# Altium PCB CTR_PAD.PcbDoc
Units mil, origin at the board's own origin, x right, y up, seen from the top; angles counter-clockwise.
Board outline 2283.74 x 2984.53 mil, 4 copper layers (Top Layer, PWR02, GND03, Bottom Layer), stack 23.756 mil thick; 45 components, 38 nets, 191 pads, 90 vias.
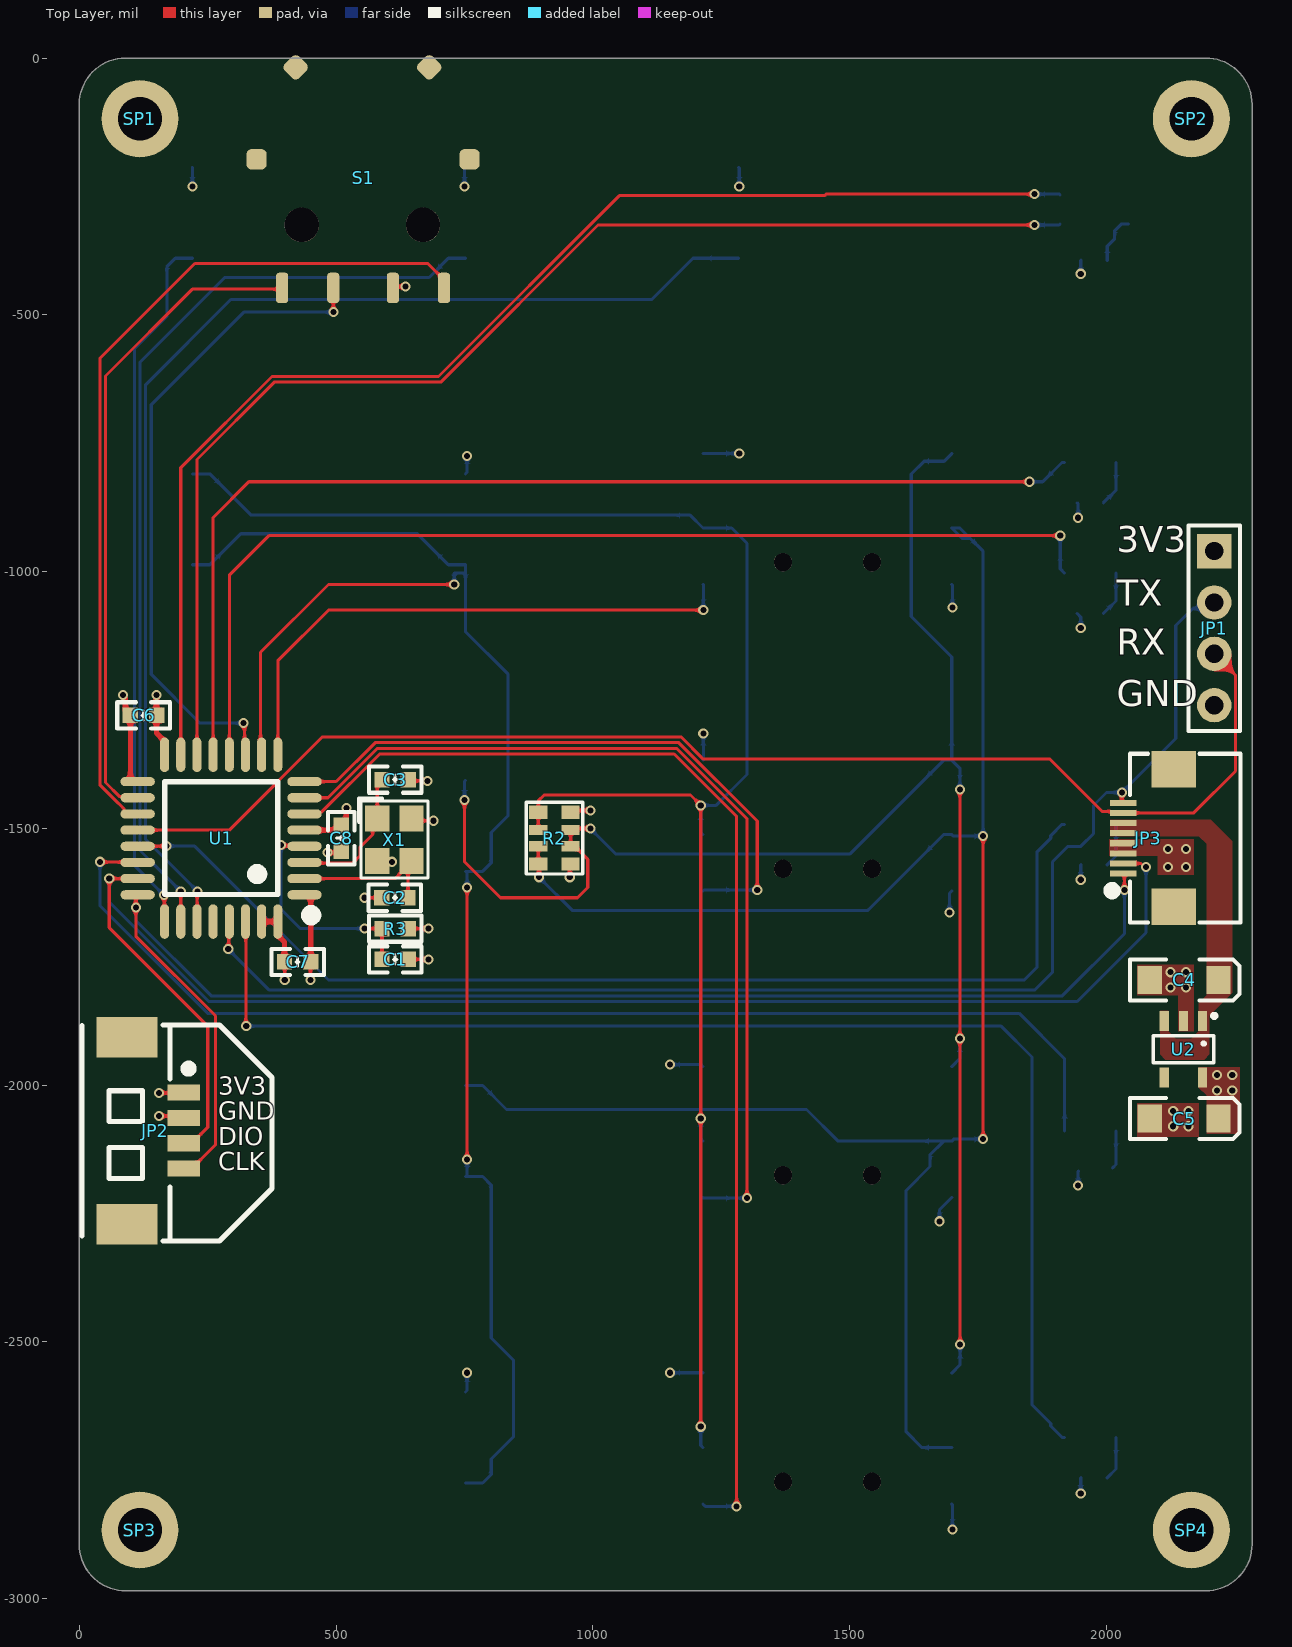
[diagram p0: Top Layer view]
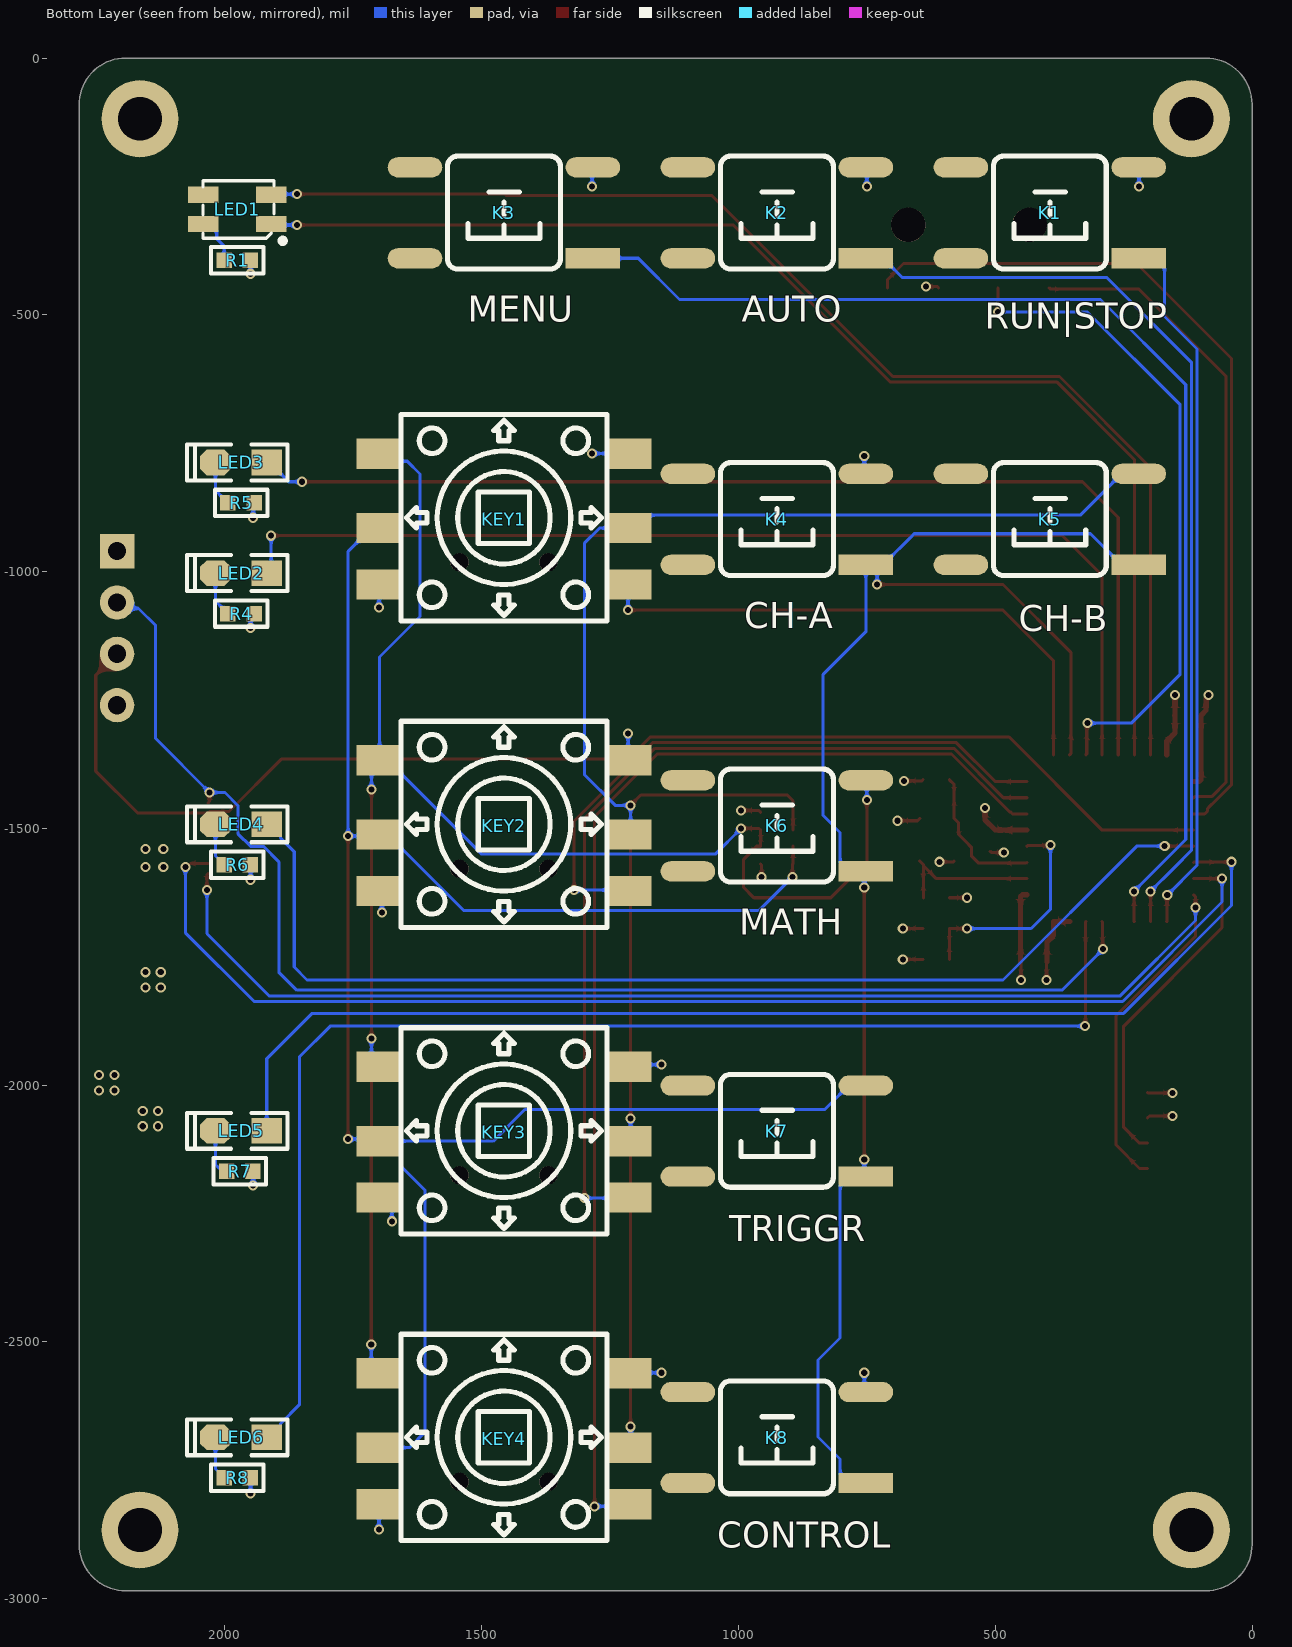
[diagram p1: Bottom Layer view, seen from below]
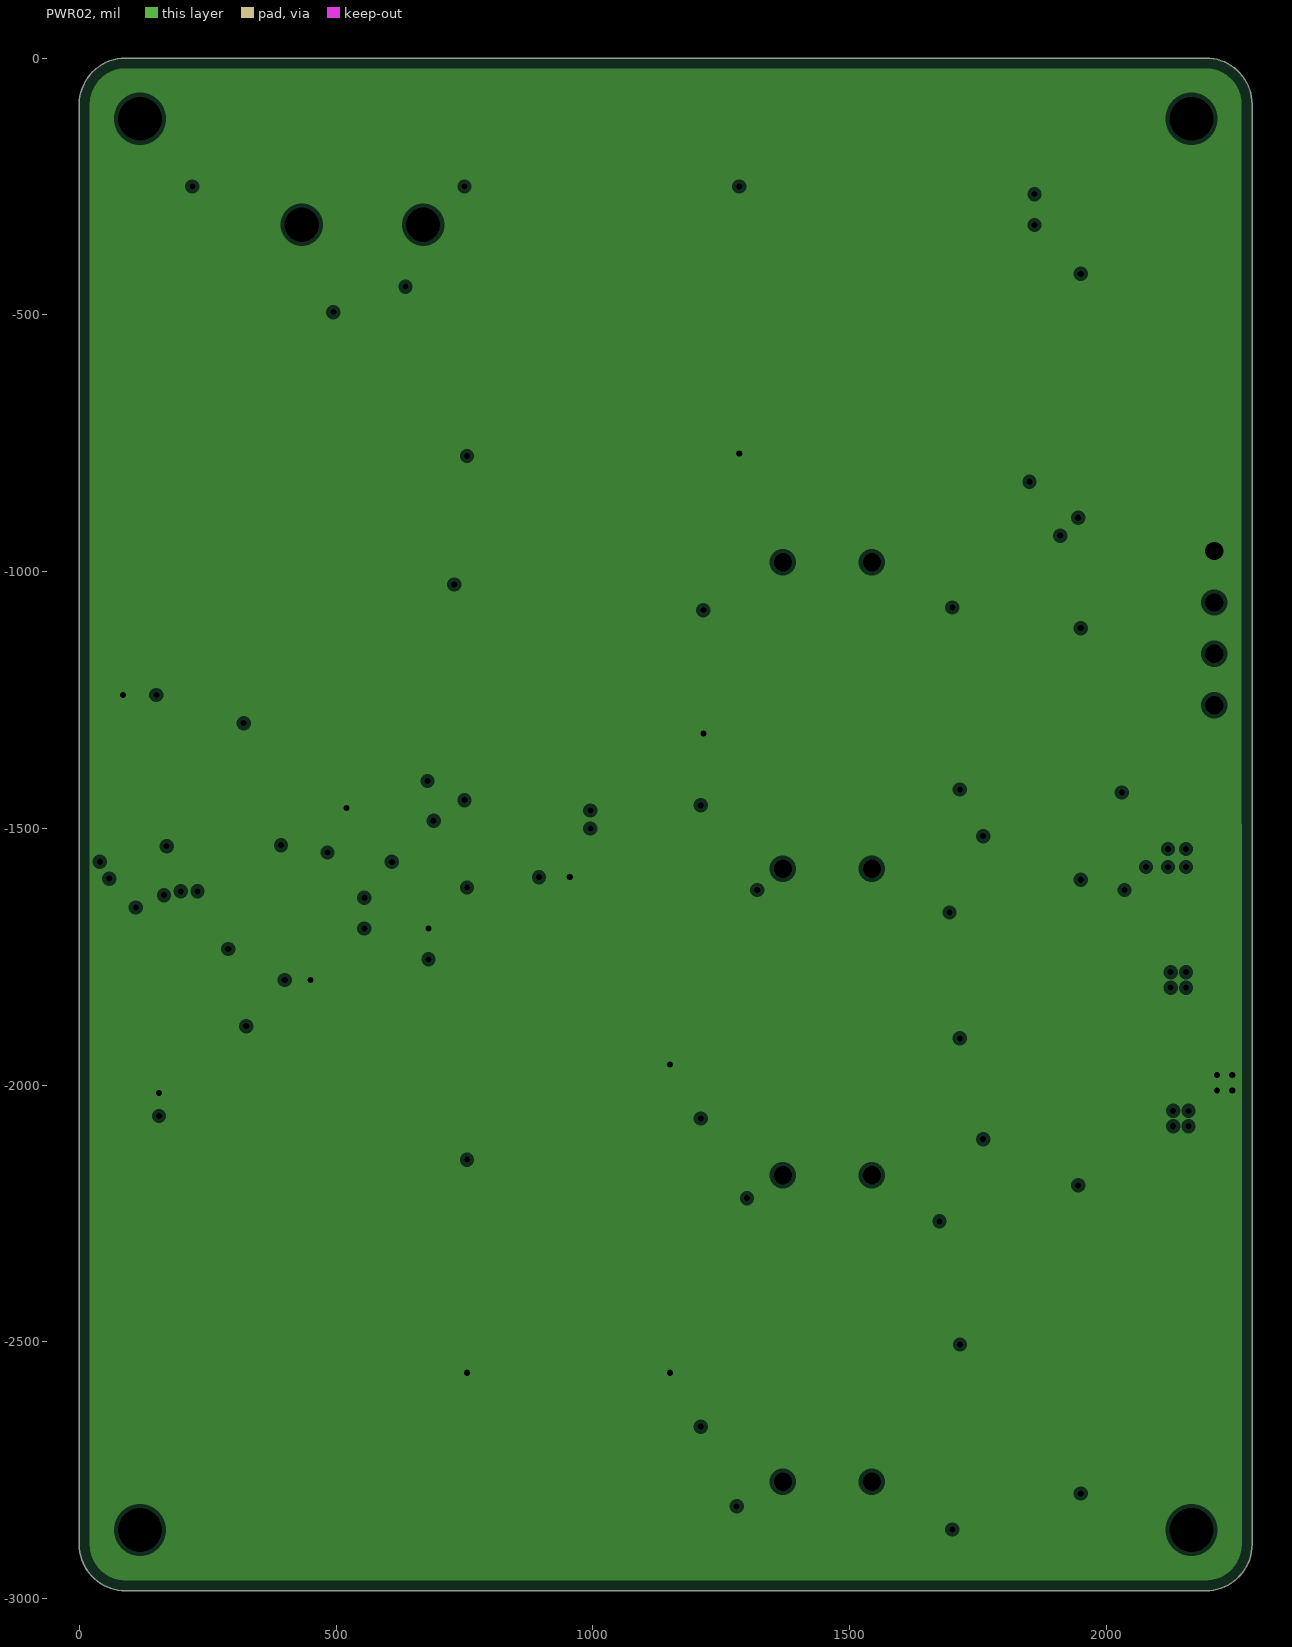
[diagram p2: PWR02, clearances drawn from the general rule]
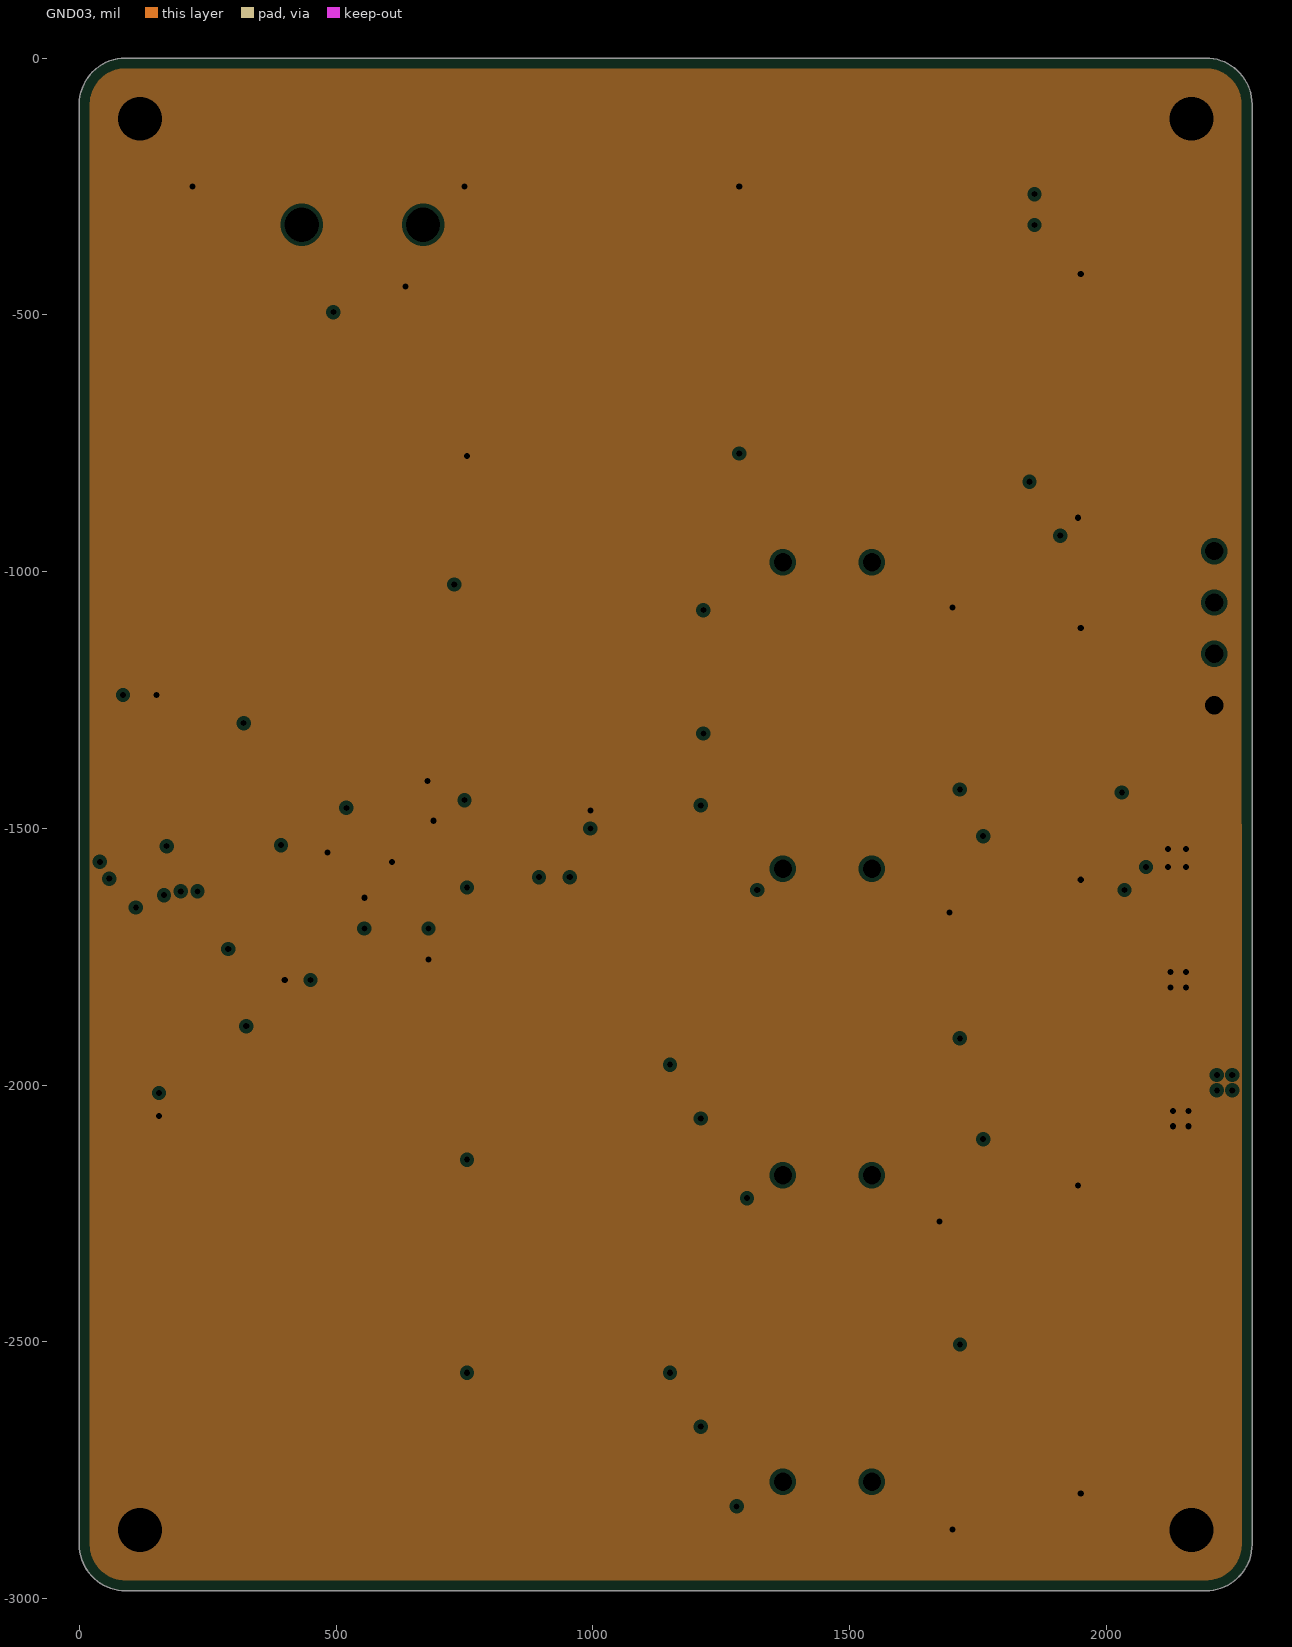
[diagram p3: GND03, clearances drawn from the general rule]

## Layer stack, top to bottom
Top Solder: solder mask 0.4, Solder Resist, Dk 3.5
Top Layer: signal copper 1.4
Dielectric 2: prepreg 2.8, PP-006, Dk 4.1
PWR02: plane copper 1.378, net F5
Dielectric 1: dielectric 12.6, FR-4, Dk 4.8
GND03: plane copper 1.378, net F1
Dielectric 3: prepreg 2.8, PP-006, Dk 4.1
Bottom Layer: signal copper 1.4
Bottom Solder: solder mask 0.4, Solder Resist, Dk 3.5

## Board outline
-0.14,-2894.25 ccw(c90,-2894.25) 90,-2984.39 2193.46,-2984.25 ccw(c2193.53,-2894.18) 2283.6,-2894.25 2283.46,-90 ccw(c2193.4,-89.93) 2193.46,0.14 90,0 ccw(c89.93,-90.07) -0.14,-90

## Design rules (kind name [scope] priority, off if disabled: settings)
Clearance [All] p1: gap=5 ignorepadtopadclearanceinfootprint=FALSE
DiffPairsRouting [All] p1: maxlimit=15 minlimit=6 mostfreqgap=10 toplayer_minwidth=6 toplayer_maxwidth=15 toplayer_prefwidth=6 bottomlayer_minwidth=6 bottomlayer_maxwidth=15 bottomlayer_prefwidth=6 maxuncoupledlength=500
PlaneClearance [All] p1: clearance=8
PlaneConnect [All] p1: planeconnectstyle=Direct reliefexpansion=20 reliefentries=4 reliefconductorwidth=10 reliefairgap=10
PolygonConnect [All] p1: connectstyle=Direct reliefconductorwidth=10 reliefentries=4 polygonreliefangle="90 Angle" airgapwidth=10
RoomDefinition CTR_PAD [InComponentClass('CTR_PAD')] p1: confinementstyle=ConfineIn formatcopy=TRUE lockcomponents=FALSE outline 2332.75,-2606.5 3447.75,-2606.5 3447.75,-2251.5 2332.75,-2251.5
RoutingVias [All] p1: holewidth=11.81 width=19.68 viastyle="Through Hole" minholewidth=11.81 minwidth=19.68 maxholewidth=11.81 maxwidth=19.68
SolderMaskExpansion [All] p1: expansion=4 istentingtop=FALSE
Width [All] p1: maxlimit=50 minlimit=6 preferedwidth=6
27 further rules are at their usual default settings.

## Components (designator, comment, footprint, x,y, rotation, side; value= is the part's Value field where it differs from the comment)
C1 "0.1uF" "C 0603_L" 615,-1755 r180 top
C2 "12pF" "C 0603_L" 614.41,-1635 r0 top
C3 "12pF" "C 0603_L" 615,-1405 r180 top
C4 "10uF" "CD A(3216)" 2151.22,-1795 r180 top
C5 "47uF" "CD A(3216)" 2151.22,-2065 r180 top
C6 "100nF" "C 0603_L" 125,-1280 r180 top
C7 "100nF" "C 0603_L" 425,-1760 r0 top
C8 "100nF" "C 0603_L" 510,-1519 r90 top
JP1 "HDR-1X4" HDR2.54-LI-4P 2210,-1110 r270 top
JP2 "HDR-1X4" "MX 1.25-WS-4P" 92.72,-2088.83 r270 top
JP3 "FPC1.0-8P" "FPC0.5 2H-WS-8P" 2131,-1519 r90 top
K1 "6x6x5" "TSW SMD-6*6*4.3" 393.7,-300.79 r0 bottom
K2 "6x6x5" "TSW SMD-6*6*4.3" 925.2,-300.79 r0 bottom
K3 "6x6x5" "TSW SMD-6*6*4.3" 1456.69,-300.79 r0 bottom
K4 "6x6x5" "TSW SMD-6*6*4.3" 925.2,-897.64 r0 bottom
K5 "6x6x5" "TSW SMD-6*6*4.3" 393.7,-897.64 r0 bottom
K6 "6x6x5" "TSW SMD-6*6*4.3" 925.2,-1494.49 r0 bottom
K7 "6x6x5" "TSW SMD-6*6*4.3" 925.2,-2088.83 r0 bottom
K8 "6x6x5" "TSW SMD-6*6*4.3" 925.2,-2685.68 r0 bottom
KEY1 "KEY-5D" KEY-5D-SMD 1456.69,-897.64 r0 bottom
KEY2 "KEY-5D" KEY-5D-SMD 1456.69,-1494.49 r0 bottom
KEY3 "KEY-5D" KEY-5D-SMD 1456.69,-2091.34 r0 bottom
KEY4 "KEY-5D" KEY-5D-SMD 1456.69,-2688.19 r0 bottom
LED1 "RGB-3528" "LED 3528-4Pin" 1976,-294.79 r0 bottom
LED2 "红色" "LED 0805Y" 1968.5,-1002.87 r0 bottom
LED3 "红色" "LED 0805Y" 1968.5,-787.39 r0 bottom
LED4 "红色" "LED 0805R" 1968.5,-1491.98 r0 bottom
LED5 "红色" "LED 0805R" 1968.5,-2088.83 r0 bottom
LED6 "红色" "LED 0805R" 1968.5,-2685.68 r0 bottom
R1 "4.7K" "R 0603_L" 1975.98,-393.7 r180 bottom
R2 "103" RCA-8P4R-0603 925.2,-1519 r270 top
R3 "10K" "R 0603_L" 615,-1695 r0 top
R4 "4.7K" "R 0603_L" 1968.5,-1081.61 r0 bottom
R5 "4.7K" "R 0603_L" 1968.5,-866.14 r0 bottom
R6 "4.7K" "R 0603_L" 1976.01,-1570.71 r0 bottom
R7 "4.7K" "R 0603_L" 1971,-2167.56 r0 bottom
R8 "4.7K" "R 0603_L" 1976.01,-2764.41 r0 bottom
S1 "WHEEL-SWITCH" WHEEL-SWITCH 551.18,-433.07 r0 top
SP1 "M2铜柱" M2 118.11,-118.11 r0 top
SP2 "M2铜柱" M2 2165.35,-118.11 r0 top
SP3 "M2铜柱" M2 118.11,-2866.14 r0 top
SP4 "M2铜柱" M2 2165.35,-2866.14 r0 top
U1 "STM32F030K6_T" "LQFP32 7X7_N" 276.25,-1519 r90 top
U2 "SP6201-3.3" SOT23-5L 2150,-1930 r180 top
X1 "8MHz" "OSC 3225-4P" 613.54,-1521.99 r270 top

## Footprints (in the part's own frame and the unit in brackets; to place one, negate y for a bottom-side part, rotate by r counter-clockwise, add the part's x,y. Pads: shape width x height; smd on the part's side, far side on the other; paste and mask are expansions set on the pad)
"C 0603_L" [mil] "无极性贴片电容"
  rect 30x30 smd: 1(-25.59,0) 2(25.59,0)
  silkscreen extent -51,-26 51,26, body extent -31,-16 31,16, height 32
"CD A(3216)" [mm] "长3.2mm，宽1.6mm，厚1.6mm"
  rect 1.2x1.4 smd: 1(-1.7,0) 2(1.7,0)
  silkscreen extent -2.74,-1.02 2.67,1.02, body extent -1.6,-0.8 1.6,0.8, height 1.6
"FPC0.5 2H-WS-8P" [mm] "长：8.2mm，宽：5.2mm，高：2mm"
  rect 1.8x2.2 smd: 0(-3.4,0) 0(3.4,0)
  rect 0.3x1.3 smd: 1(-1.75,2.497) 2(-1.25,2.497) 3(-0.75,2.497) 4(-0.25,2.497) 5(0.25,2.497) 6(0.75,2.497) 7(1.25,2.497) 8(1.75,2.497)
  silkscreen extent -4.17,-3.3 4.17,3.23, body extent -4.1,-3.15 4.1,2.85, height 2
HDR2.54-LI-4P [mm] "排针，4脚"
  rect 1.7x1.7 hole 0.9: 1(-3.81,0)
  round 1.7 hole 0.9: 2(-1.27,0) 3(1.27,0) 4(3.81,0)
  silkscreen extent -5.08,-1.27 5.08,1.27, body extent -5.08,-1.27 5.08,1.27, height 8.5
KEY-5D-SMD [mm]
  rect 2.3x1.5 smd: 1(-6.15,3.239) 2(-6.15,0.445) 3(-6.15,-3.239) 4(6.15,3.239) 5(6.15,0.445) 6(6.15,-3.239)
  round 0.9 hole 0.9 unplated: ""(-2.2,2.136) ""(2.2,2.136)
  silkscreen extent -5.1,-5.16 5.1,5.04, body extent -5.35,-4.87 5.35,5.13, height 7.1
"LED 0805R" [mil] "红色0805LED"
  rect 60x50 smd: 1(-50,0)
  oct 60x50 smd: 2(50,0)
  silkscreen extent -90,-35 105,35, body extent -39,-25 39,25, height 26
"LED 0805Y" [mil] "黄色0805LED"
  rect 60x50 smd: 1(-50,0)
  oct 60x50 smd: 2(50,0)
  silkscreen extent -90,-35 105,35, body extent -39,-25 39,25, height 26
"LED 3528-4Pin" [mm] "4脚，3528LED"
  rect 1.5x0.8 smd: 1(-1.689,0.725) 2(-1.689,-0.725) 3(1.689,-0.725) 4(1.689,0.725)
  silkscreen extent -2.37,-1.42 1.69,1.68, body extent -1.75,-1.4 1.75,1.4, height 1.95
"LQFP32 7X7_N" [mm] "32脚，体宽7x7mm，脚距0.8mm"
  oval 0.45x1.7 smd: 1(-2.8,-4.12) 2(-2,-4.12) 3(-1.2,-4.12) 4(-0.4,-4.12) 5(0.4,-4.12) 6(1.2,-4.12) 7(2,-4.12) 8(2.8,-4.12) 17(2.8,4.132) 18(2,4.132) 19(1.2,4.132) 20(0.4,4.132) 21(-0.4,4.132) 22(-1.2,4.132) 23(-2,4.132) 24(-2.8,4.132)
  oval 1.7x0.45 smd: 9(4.126,-2.8) 10(4.126,-2) 11(4.126,-1.2) 12(4.126,-0.4) 13(4.126,0.4) 14(4.126,1.2) 15(4.126,2) 16(4.126,2.8) 25(-4.126,2.8) 26(-4.126,2) 27(-4.126,1.2) 28(-4.126,0.4) 29(-4.126,-0.4) 30(-4.126,-1.2) 31(-4.126,-2) 32(-4.126,-2.8)
  silkscreen extent -4.06,-4.69 2.79,2.79, body extent -4.5,-4.5 4.5,4.5, height 1.45
M2 [mm] "M3螺丝孔，孔125Mil，焊盘200Mil"
  round 3.81 hole 2.175: 1(0,0)
"MX 1.25-WS-4P" [mm] "长：10.15mm，宽：4.2mm，高：3.4mm"
  rect 2x3 smd: 0(-4.632,0) 0(4.632,0)
  rect 0.8x1.6 smd: 1(-1.889,2.811) 2(-0.639,2.811) 3(0.611,2.811) 4(1.861,2.811)
  silkscreen extent -5.23,-2.23 5.45,3.25, body extent -5.07,-2.1 5.07,3.09, height 3.4
"OSC 3225-4P" [mm] "3.2*2.5*0.7mm(长宽高)"
  rect 1.3x1.2 smd: 1(-1.05,-0.85) 2(1.05,-0.85) 3(1.05,0.85) 4(-1.05,0.85)
  silkscreen extent -2.03,-1.75 1.91,1.65, body extent -1.6,-1.25 1.6,1.25, height 0.7
"R 0603_L" [mil] "1/10W贴片电阻"
  rect 30x30 smd: 1(-25.59,0) 2(25.59,0)
  silkscreen extent -51,-26 51,26, body extent -31,-16 31,16, height 16
RCA-8P4R-0603 [mm] "3.2mm*1.6mm*0.6mm(长*宽*厚)"
  rect 0.65x0.9 smd: 1(-1.28,-0.8) 4(1.28,-0.8) 5(1.28,0.8) 8(-1.28,0.8)
  rect 0.5x0.9 smd: 2(-0.4,-0.8) 3(0.4,-0.8) 6(0.4,0.8) 7(-0.4,0.8)
  silkscreen extent -1.78,-1.4 1.78,1.4, body extent -1.6,-0.8 1.6,0.8, height 0.6
SOT23-5L [mm] "3x1.6x1.1mm(长宽高)"
  rect 0.45x1 smd: 1(-0.95,-1.4) 2(0,-1.4) 3(0.95,-1.4) 4(0.95,1.4) 5(-0.95,1.4)
  silkscreen extent -1.6,-1.73 1.5,0.66, body extent -1.5,-1.4 1.5,1.4, height 1.15
"TSW SMD-6*6*4.3" [mm] "6*6*4.3mm"
  rect 2.7x1 smd: 1(-4.4,2.261)
  oval 2.7x1 smd: 2(-4.4,-2.239) 3(4.4,-2.239) 4(4.4,2.261)
  silkscreen extent -2.79,-2.79 2.79,2.79, body extent -4.5,-3 4.5,3, height 4.25
WHEEL-SWITCH [mm]
  rrect50% 0.6x1.5 smd paste+0 mask+0.102: A(-3.968,-0.366) B(4.032,-0.366) C(1.507,-0.366) S(-1.443,-0.366)
  rrect50% 1x1 smd paste+0 mask+0.102: ""(-5.236,5.994) ""(5.3,5.994)
  rrect50% 1x1 smd rot 45 paste+0 mask+0.102: ""(-3.302,10.541)
  round 1.7 hole 1.7 unplated: ""(-3,2.75) ""(3,2.75)
  rrect50% 1x1 smd rot 135 paste+0 mask+0.102: ""(3.302,10.541)
  body extent -7.19,-0.25 7.19,14.5, height 4.3

## Part data
C1 C2 C3 C6 C7 C8: library part C, "无极性贴片电容", BOM名称=无极性贴片电容, 学习资源=www.ooocke.com, 版权归属=源创客
C4 C5: library part C-CD, "贴片钽电容", BOM名称=贴片钽电容, 学习资源=www.ooocke.com, 版权归属=源创客
JP1 JP2: library part "Header 4", "4P接插件", BOM名称=4P接插件, 学习资源=www.ooocke.com, 版权归属=源创客
JP3: library part FPC-8P, "FPC连接器", BOM名称=FPC连接器, 学习资源=www.ooocke.com, 版权归属=源创客
K1 K2 K3 K4 K5 K6 K7 K8: library part KEY-SMD-6x6, "贴片6x6轻触开关", BOM名称=贴片6x6轻触开关, 学习资源=www.ooocke.com, 版权归属=源创客
KEY1 KEY2 KEY3 KEY4: "五向按键"
LED1: library part LED-RGB-3528, "三基色LED", BOM名称=三基色LED, 学习资源=www.ooocke.com, 版权归属=源创客
LED2 LED3 LED4 LED5 LED6: library part LED-SMD, "贴片LED", BOM名称=贴片LED, 学习资源=www.ooocke.com, 版权归属=源创客
R1 R3 R4 R5 R6 R7 R8: library part R, "贴片电阻", BOM名称=贴片电阻, 学习资源=www.ooocke.com, 版权归属=源创客
R2: library part R-8P4R, "贴片网络排阻", BOM名称=贴片网络排阻, 学习资源=www.ooocke.com, 版权归属=源创客
S1: "拨盘编码器"
U1: "微型控制器"
U2: "线性稳压器"
X1: library part XTAL-4P, "4脚无源晶振", BOM名称=4脚无源晶振, 学习资源=www.ooocke.com, 版权归属=源创客
SP1 SP2 SP3 SP4: BOM名称=铜柱, 学习资源=www.ooocke.com, 版权归属=源创客

## Via types
v1: diameter 19.68, hole 11.81, Top Layer to Bottom Layer, tented both sides, 90 vias

## Nets (pads, with @x,y where several pads share a name; then routed paths per layer and width w, separated by ;. In a path a pad name is that pad's centre, name@x,y a point inside that pad or via, vN(x,y) a via of type N, cw(c..) or ccw(c..) an arc to the next point about the centre after c; other vN are vias at no path point)
3V3: C5.1 C6.2 C7.2 C8.2 JP1.1 JP2.1 K8.2 KEY1.3 KEY2.3 KEY3.3 KEY4.3 R2.5 R3.2 U1.1 U1.5 U1.17 U2.5 | length 877.8
  Top Layer w6: v1@160,-2015 202.84,-2015 JP2.1 ; v1(450,-1795) 450,-1760.59 C7.2 ; R3.2 v1(680,-1695) ; v1(955,-1595) 955,-1571.09 R2.5
  Top Layer w10: v1(85,-1240) 85,-1242.62 89.41,-1247.03 89.41,-1270 C6.2 99.41,-1405.2 102.98,-1408.76 U1.17 ; U1.1 447.02,-1629.24 450.59,-1632.8 C7.2 ; U1.5 500.16,-1503.25 520,-1483.41 v1(520,-1460)
  Bottom Layer w6: K8.2 755,-2594.48 v1(755,-2560) ; v1(1150,-2560) 1213.88,-2560 KEY4.3 ; v1(1150,-1960) 1210.73,-1960 KEY3.3 ; KEY2.3 1215,-1366.55 v1(1215,-1315) ; KEY1.3 1214.7,-770 v1(1285,-770)
  other v1: 155,-2015 2215,-2010 2245,-2010 2215,-1980 2245,-1980
5V: C4.1 JP3.5 JP3.6 U2.1 U2.3
DGND: C1.1 C2.1 C3.1 C4.2 C5.2 C6.1 C7.1 C8.1 JP1.4 JP2.2 JP3.3 JP3.4 K1.2 K2.2 K3.2 K4.2 KEY1.4 KEY2.4 KEY3.4 KEY4.4 R1.2 R2.8 R4.1 R5.1 R6.1 R7.1 R8.1 S1.C SP1.1 SP2.1 SP3.1 SP4.1 U1.16 U1.31 U1.32 U2.2 X1.2 X1.4 | length 1122.2
  Top Layer w6: v1(155,-2060) 199.69,-2060 JP2.2 ; C7.1 400,-1760.6 v1(400,-1795) ; v1(483.34,-1547.03) 507.57,-1547.03 C8.1 ; v1(555,-1635) C2.1 ; X1.2 581.74,-1565 v1(608.54,-1565) ; S1.C 612.97,-445 v1(635,-445) ; C1.1 v1(680.01,-1754.99) ; C3.1 643.14,-1407.54 v1(677.93,-1407.54) ; X1.4 651.35,-1485 v1(690,-1485) ; R2.8 960.3,-1465 v1(995,-1465)
  Top Layer w10: v1(150,-1240) 150,-1279.4 C6.1 150,-1280.59 150,-1314.22 166.02,-1330.24 U1.16 ; U1.31 U1.32 386.49,-1708.14 399.41,-1721.06 C7.1
  Bottom Layer w6: v1(220,-250) 220,-213.09 K1.2 ; v1(750,-250) 750,-214.59 K2.2 ; K4.2 755,-806.44 v1(755,-775) ; K3.2 1285,-214.16 v1(1285,-250) ; v1(1675,-2265) 1675,-2242.66 KEY3.4 ; v1(1694.41,-1663.56) 1694.41,-1626.4 KEY2.4 ; KEY4.4 1700,-2816.87 v1(1700,-2865) ; KEY1.4 1700,-1026.32 v1(1700,-1070) ; R4.1 1950,-1088.7 v1(1950,-1110) ; R5.1 1945,-868.23 v1(1945,-895) ; v1(1945,-2195) 1945,-2167.96 R7.1 ; v1(1950,-2795) 1950,-2764.82 R8.1 ; v1(1950,-1600) 1950,-1571.12 R6.1 ; v1(1950,-420) 1950,-394.1 R1.2
  other v1: 2130,-2080 2160,-2080 2130,-2050 2160,-2050 2125,-1810 2155,-1810 2125,-1780 2155,-1780 2120,-1575 2155,-1575 2120,-1540 2155,-1540
F0_RX: JP1.3 JP3.7 U1.20 | length 2553.6
  Top Layer w6: U1.20 291.75,-1503.25 473,-1322 1172,-1322 1215,-1365 1890,-1365 1991.88,-1466.88 2029.79,-1466.88 JP3.7 2170.21,-1469.79 2251.46,-1388.54 2251.46,-1201.46 JP1.3
F0_TX: JP1.2 JP3.8 U1.29 | length 2628.5
  Top Layer w6: v1(290,-1735) 291,-1734 291,-1682.45 U1.29 ; v1(2030,-1430) 2030,-1447.41 JP3.8
  Bottom Layer w6: v1(290,-1735) 370,-1815 1860,-1815 1895,-1780 1895,-1565 1925,-1535 1950,-1535 1974.75,-1510.25 1974.75,-1455.25 2000,-1430 v1(2030,-1430) 2135,-1325 2135,-1105 2168.34,-1071.66 2198.34,-1071.66 JP1.2
F2: K5.2 KEY1.2 KEY2.2 KEY3.2 KEY4.2 R2.1 R2.2 | length 3443.9
  Top Layer w6: R2.2 R2.1 893.7,-1446.3 905,-1435 1190,-1435 v1(1210,-1455) v1(1210,-2065) v1(1210,-2665)
  Bottom Layer w6: K5.2 253.94,-809.47 334.47,-890 1189.43,-890 KEY1.2 1270.14,-915.14 1300,-945 1300,-1395 1240,-1455 v1(1210,-1455) 1210,-1507.42 KEY2.2 ; v1(1210,-2665) 1210,-2701.12 KEY4.2 ; v1(1210,-2065) 1210,-2104.27 KEY3.2
F3: K6.2 KEY1.6 KEY2.6 KEY3.6 KEY4.6 R2.6 R2.7 | length 3360.5
  Top Layer w6: v1(750,-1445) 750,-1565 820,-1635 970,-1635 990,-1615 990,-1560.18 964.57,-1534.75 R2.6 R2.7 959.94,-1500 v1(995,-1500) ; v1(1714.59,-1424.12) v1(1714.59,-1908.85) 1714.59,-2085.84 1715,-2086.26 v1(1715,-2505)
  Bottom Layer w6: v1(750,-1445) 750,-1408.29 K6.2 ; v1(995,-1500) 1045,-1550 1500.06,-1550 1683.07,-1366.99 KEY2.6 ; KEY4.6 1715,-2544.51 v1(1715,-2505) ; KEY3.6 1714.59,-1948.07 v1(1714.59,-1908.85) ; KEY1.6 1683.96,-785 1645,-785 1620,-810 1620,-1087.36 1698.82,-1166.18 KEY2.6 ; v1(1714.59,-1424.12) 1714.59,-1382.75 KEY2.6
F4: K7.2 KEY1.5 KEY2.5 KEY3.5 KEY4.5 R2.3 R2.4 | length 4035.5
  Top Layer w6: R2.3 R2.4 895,-1570.69 v1(895,-1595) ; v1(1760,-2105) v1(1760,-1515)
  Bottom Layer w6: K7.2 785.43,-2000.67 831.93,-2047.16 1416.01,-2047.16 1477.69,-2108.84 KEY3.5@1683.07,-2108.84 ; v1(895,-1595) 959.52,-1659.52 1535.48,-1659.52 1540,-1655 1540.06,-1655 1683.07,-1511.99 KEY2.5 1701.83,-1515 v1(1760,-1515) 1760,-960.57 KEY1.5@1734.43,-935 ; KEY4.5 1640.69,-2705.69 1610,-2675 1610,-2205 1656.55,-2158.45 1656.55,-2135.37 KEY3.5@1683.07,-2108.84 ; v1(1760,-2105) 1702.66,-2105 KEY3.5 KEY3.5@1683.07,-2108.84 ; KEY1.5@1734.43,-935 1718.68,-935 KEY1.5 1714.57,-915.14 KEY1.5@1734.43,-935
NetLED1_4: LED1.4 R1.1 | length 95.4
  Bottom Layer w6: R1.1 2001.58,-366.09 2015.98,-351.69 2015.98,-336.08 2028.72,-323.33 LED1.4
NetLED2_2: LED2.2 R4.2 | length 88.9
  Bottom Layer w6: R4.2 2018.5,-1057.2 LED2.2
NetLED3_2: LED3.2 R5.2 | length 88.9
  Bottom Layer w6: R5.2 2018.5,-841.73 LED3.2
NetLED4_2: LED4.2 R6.2 | length 85.7
  Bottom Layer w6: R6.2 2018.5,-1553.8 LED4.2
NetLED5_2: LED5.2 R7.2 | length 74.9
  Bottom Layer w6: 2012,-2161 2018.5,-2154.5 LED5.2
NetLED6_2: LED6.2 R8.2 | length 85.7
  Bottom Layer w6: R8.2 2018.5,-2747.5 LED6.2
OSC_IN: C2.2 U1.2 X1.3 | length 286.6
  Top Layer w6: U1.2 614.56,-1597.74 X1.3@640,-1572.3 ; C2.2 X1.3@640,-1572.3 ; X1.3 640,-1570.33 X1.3@640,-1572.3
OSC_OUT: C3.2 U1.3 X1.1 | length 280.7
  Top Layer w6: U1.3 439.81,-1567.59 532.41,-1567.59 546.52,-1553.48 546.52,-1536.36 558.04,-1524.84 571.15,-1511.73 571.15,-1489.58 X1.1 580.07,-1414.34 C3.2
PA0: KEY4.1 U1.6 | length 2350.8
  Top Layer w6: U1.6 466.24,-1471.76 470.28,-1467.71 472.29,-1467.71 585,-1355 1158.33,-1355 1280,-1476.67 v1(1280,-2820)
  Bottom Layer w6: KEY4.1 1218.88,-2820 v1(1280,-2820)
PA1: KEY3.1 U1.7 | length 1783
  Top Layer w6: U1.7 484.18,-1440.26 580.44,-1344 1162.89,-1344 1300,-1481.11 v1(1300,-2220)
  Bottom Layer w6: KEY3.1 1215.73,-2220 v1(1300,-2220)
PA2: KEY2.1 U1.8 | length 1216.8
  Top Layer w6: U1.8 500.12,-1408.76 575.89,-1333 1167.44,-1333 1320,-1485.56 v1(1320,-1620)
  Bottom Layer w6: KEY2.1 1216.55,-1620 v1(1320,-1620)
PA3: KEY1.1 U1.9 | length 1102.4
  Top Layer w6: U1.9 386.49,-1173.51 485,-1075 v1(1215,-1075)
  Bottom Layer w6: KEY1.1 1215,-1025.57 v1(1215,-1075)
PA4: K4.1 K5.1 K6.1 K7.1 K8.1 U1.10 | length 3252.9
  Top Layer w6: U1.10 352.75,-1354.31 352.75,-1157.25 485,-1025 v1(730,-1025) ; v1(755,-2145) v1(755,-1615)
  Bottom Layer w6: K5.1 253.94,-986.64 314.44,-926.14 658.01,-926.14 718.5,-986.64 K4.1 K4.1@751.97,-1003.03 ; v1(730,-1025) 730,-1003.32 730.29,-1003.03 K4.1@751.97,-1003.03 ; K8.1 785.43,-2774.68 802.12,-2758 802.12,-2727.88 845,-2685 845,-2535 802.12,-2492.12 802.12,-2194.52 785.43,-2177.83 K7.1 755,-2174.8 v1(755,-2145) ; v1(755,-1615) 755,-1586.52 K6.1 785.43,-1583.49 802.12,-1566.8 802.12,-1507.88 835,-1475 835,-1200 751.97,-1116.97 K4.1@751.97,-1003.03
PA5: S1.S U1.11 | length 1284.1
  Top Layer w6: v1(320,-1295) 321.75,-1296.75 321.75,-1354.8 U1.11 ; S1.S 494.53,-447.62 494.53,-494.53 v1(494.69,-494.69)
  Bottom Layer w6: v1(320,-1295) 235,-1295 140,-1200 140,-675 320.31,-494.69 v1(494.69,-494.69)
PA6: LED2.1 U1.12 | length 2075.8
  Top Layer w6: U1.12 292,-1007 369,-930 v1(1910,-930)
  Bottom Layer w6: v1(1910,-930) 1910,-994.37 LED2.1
PA7: LED3.1 U1.13 | length 2164.4
  Top Layer w6: U1.13 260.5,-894.5 330,-825 v1(1850,-825)
  Bottom Layer w6: v1(1850,-825) 1875.9,-825 1913.5,-787.39 LED3.1
PA8: S1.A U1.18 | length 1281.4
  Top Layer w6: U1.18 111.33,-1438.02 78.57,-1438.02 51,-1410.44 51,-619 220,-450 392.42,-450 S1.A
PA9: S1.B U1.19 | length 1705.5
  Top Layer w6: U1.19 92.13,-1471.76 86.72,-1466.34 86.72,-1461.72 82.12,-1457.12 81.98,-1457.12 72.1,-1447.24 72.1,-1447.1 40,-1415 40,-585 225,-400 678.6,-400 709.92,-431.32 S1.B
PA11: LED4.1 U1.21 | length 2172.9
  Top Layer w6: U1.21 113.71,-1534.6 169.84,-1534.6 v1(169.99,-1534.46)
  Bottom Layer w6: v1(169.99,-1534.46) 224.46,-1534.46 485,-1795 1840,-1795 1865,-1770 1865,-1545.49 1891.5,-1518.98 1891.5,-1513.98 1913.5,-1491.98 LED4.1
PA12: LED5.1 U1.22 | length 2301.6
  Top Layer w6: v1(40,-1565) 40.62,-1565.62 112.94,-1565.62 U1.22
  Bottom Layer w6: v1(40,-1565) 40,-1650 250,-1860 1830,-1860 1918.5,-1948.5 LED5.1
PA15: K1.1 U1.25 | length 1382.7
  Top Layer w6: v1(165,-1630) 165.51,-1630.51 165.51,-1680.94 U1.25
  Bottom Layer w6: v1(165,-1630) 107,-1572 107,-566.4 170.32,-503.07 170.32,-406.47 187.01,-389.79 K1.1
PB0: LED1.1 U1.14 | length 2445.3
  Top Layer w6: U1.14 229.01,-781.55 379.56,-631 704,-631 1010,-325 v1(1860,-325)
  Bottom Layer w6: v1(1860,-325) 1907.84,-325 LED1.1
PB1: LED1.2 U1.15 | length 2487.1
  Top Layer w6: U1.15 197.51,-797.49 375,-620 699.44,-620 1051.6,-267.84 1451.22,-267.84 1454.06,-265 v1(1860,-265)
  Bottom Layer w6: v1@1865,-265 1908.26,-265 LED1.2
PB3: K2.1 U1.26 | length 1840.1
  Top Layer w6: U1.26 v1(197.51,-1622.51)
  Bottom Layer w6: v1(197.51,-1622.51) 151.66,-1576.66 118,-1543 118,-592 282.84,-427.16 681.13,-427.16 718.5,-389.79 K2.1
PB4: K3.1 U1.27 | length 2345.6
  Top Layer w6: U1.27 229.5,-1680.95 229.5,-1620.5 v1@230,-1620
  Bottom Layer w6: v1@230,-1620 227.49,-1620 129,-1521.51 129,-635.97 294.97,-470 1114.79,-470 1195,-389.79 K3.1
  other v1: 230,-1622.51
PB5: U1.28
PB7: LED6.1 U1.30 | length 2528.9
  Top Layer w6: U1.30 324.25,-1682.2 324.25,-1884.25 v1(325,-1885)
  Bottom Layer w6: v1(325,-1885) 1795,-1885 1855,-1945 1855,-2622.18 1891.5,-2658.68 1891.5,-2663.68 1913.5,-2685.68 LED6.1
RST: C1.2 R3.1 U1.4 | length 444.3
  Top Layer w6: v1(392.51,-1532.51) 393.63,-1533.63 437.34,-1533.63 U1.4 ; v1(555,-1695) 589.4,-1695 C1.2
  Bottom Layer w6: v1(392.51,-1532.51) 392.51,-1657.51 430,-1695 v1(555,-1695)
SWCLK: JP2.4 JP3.1 U1.24 | length 2812.6
  Top Layer w6: U1.24 110,-1632.8 v1(110,-1654) 110,-1710 265,-1865 265,-2116.23 219.12,-2162.11 JP2.4 ; JP3.1 2035,-1590.2 v1(2035,-1620)
  Bottom Layer w6: v1(110,-1654) 110,-1679.44 256.56,-1826 1914,-1826 2035,-1705 v1(2035,-1620)
SWDIO: JP2.3 JP3.2 U1.23 | length 3053.5
  Top Layer w6: U1.23 v1(58.29,-1597.74) 58.29,-1693.29 250,-1885 250,-2082.01 219.12,-2112.9 JP2.3 ; JP3.2 2067.16,-1568.21 2073.95,-1575 v1(2077,-1575)
  Bottom Layer w6: v1(58.29,-1597.74) 58.29,-1643.29 252,-1837 1943,-1837 2077,-1703 v1(2077,-1575)
pads on no net: JP2.0 JP3.0 K1.3 K1.4 K2.3 K2.4 K3.3 K3.4 K4.3 K4.4 K5.3 K5.4 K6.3 K6.4 K7.3 K7.4 K8.3 K8.4 KEY1. KEY2. KEY3. KEY4. LED1.3 S1. U2.4

## Polygon pours and split planes (outlines as drawn)
DGND on Top Layer "DGND_L01_P001" (solid, pour order 1): 2100,-1553.26 2100,-1590 2170,-1590 2170,-1521.26 2005.89,-1521.26 2005.89,-1553.26
DGND on Top Layer "DGND_L01_P002" (solid, pour order 2): 2060,-1765 2170,-1765 2170,-1895 2140,-1895 2140,-1825 2060,-1825
3V3 on Top Layer "3V3_L01_P003" (solid, pour order 3): 2180,-1965 2260,-1965 2260,-2095 2195,-2095 2195,-2020 2180,-2005
DGND on Top Layer "DGND_L01_P004" (solid, pour order 4): 2060,-2035 2180,-2035 2180,-2100 2060,-2100
5V on Top Layer "5V_L01_P000" (solid, pour order 0): 2245,-1820 2200,-1865 2200,-1940 2190,-1950 2115,-1950 2105,-1940 2105,-1855 2120,-1855 2120,-1895 2135,-1910 2165,-1910 2180,-1895 2180,-1840 2195,-1825 2195,-1530 2180,-1515 2007,-1515 2007,-1483 2203,-1483 2245,-1525
3V3 on PWR02 (split plane): 2200.26,-20.21 2207.06,-21.22 2213.73,-22.89 2220.2,-25.21 2226.42,-28.15 2232.31,-31.68 2237.84,-35.78 2242.93,-40.4 2247.55,-45.49 2251.64,-51.01 2255.18,-56.91 2258.12,-63.12 2260.43,-69.6 2262.1,-76.26 2263.11,-83.06 2263.42,-89.43 2263.37,-89.98 2263.37,-90 2263.51,-2894.25 2263.56,-2894.78 2263.25,-2901.05 2262.24,-2907.85 2260.57,-2914.52 2258.26,-2920.99 2255.32,-2927.21 2251.78,-2933.1 2247.69,-2938.62 2243.07,-2943.72 2237.98,-2948.33 2232.45,-2952.43 2226.56,-2955.96 2220.34,-2958.9 2213.87,-2961.22 2207.2,-2962.89 2200.4,-2963.9 2194.04,-2964.21 2193.48,-2964.16 2193.46,-2964.16 90,-2964.29 89.45,-2964.35 83.13,-2964.04 76.32,-2963.03 69.64,-2961.36 63.16,-2959.04 56.94,-2956.09 51.04,-2952.56 45.51,-2948.46 40.42,-2943.84 35.79,-2938.74 31.69,-2933.21 28.16,-2927.31 25.21,-2921.09 22.9,-2914.61 21.22,-2907.93 20.21,-2901.12 19.9,-2894.8 19.96,-2894.25 19.96,-90 19.91,-89.47 20.21,-83.2 21.22,-76.4 22.89,-69.73 25.21,-63.26 28.15,-57.05 31.68,-51.15 35.78,-45.63 40.4,-40.53 45.49,-35.92 51.01,-31.82 56.91,-28.29 63.12,-25.35 69.6,-23.03 76.26,-21.36 83.06,-20.35 89.43,-20.04 89.98,-20.1 90,-20.1 2193.47,-19.96 2193.99,-19.91
DGND on GND03 (split plane): 2200.26,-20.21 2207.06,-21.22 2213.73,-22.89 2220.2,-25.21 2226.42,-28.15 2232.31,-31.68 2237.84,-35.78 2242.93,-40.4 2247.55,-45.49 2251.64,-51.01 2255.18,-56.91 2258.12,-63.12 2260.43,-69.6 2262.1,-76.26 2263.11,-83.06 2263.42,-89.43 2263.37,-89.98 2263.37,-90 2263.51,-2894.25 2263.56,-2894.78 2263.25,-2901.05 2262.24,-2907.85 2260.57,-2914.52 2258.26,-2920.99 2255.32,-2927.21 2251.78,-2933.1 2247.69,-2938.62 2243.07,-2943.72 2237.98,-2948.33 2232.45,-2952.43 2226.56,-2955.96 2220.34,-2958.9 2213.87,-2961.22 2207.2,-2962.89 2200.4,-2963.9 2194.04,-2964.21 2193.48,-2964.16 2193.46,-2964.16 90,-2964.29 89.45,-2964.35 83.13,-2964.04 76.32,-2963.03 69.64,-2961.36 63.16,-2959.04 56.94,-2956.09 51.04,-2952.56 45.51,-2948.46 40.42,-2943.84 35.79,-2938.74 31.69,-2933.21 28.16,-2927.31 25.21,-2921.09 22.9,-2914.61 21.22,-2907.93 20.21,-2901.12 19.9,-2894.8 19.96,-2894.25 19.96,-90 19.91,-89.47 20.21,-83.2 21.22,-76.4 22.89,-69.73 25.21,-63.26 28.15,-57.05 31.68,-51.15 35.78,-45.63 40.4,-40.53 45.49,-35.92 51.01,-31.82 56.91,-28.29 63.12,-25.35 69.6,-23.03 76.26,-21.36 83.06,-20.35 89.43,-20.04 89.98,-20.1 90,-20.1 2193.47,-19.96 2193.99,-19.91

## Silkscreen, mask and mechanical layers (free items; w line width, h text height)
Top Overlay:
  lines w10: 176.72,-2303.35 272.8,-2303.35 375,-2201.15 375,-1985 272.8,-1882.8 176.72,-1882.8
  text "3V3" at 2020,-978.33 h86.61
  text "TX" at 2020,-1083.33 h86.61
  text "RX" at 2020,-1178.33 h86.61
  text "GND" at 2020,-1278.33 h86.61
  text "3V3" at 270,-2030.45 h59.05
  text "GND" at 270.53,-2079.14 h59.05
  text "DIO" at 270.53,-2128.35 h59.05
  text "CLK" at 270.53,-2177.56 h59.05
Bottom Overlay:
  text "AUTO" at 993.61,-529.53 h86.61
  text "MENU" at 1526.68,-529.56 h86.61
  text "RUN|STOP" at 520.89,-543.31 h86.61
  text "CH-A" at 988.6,-1126.36 h86.61
  text "CH-B" at 453.83,-1133.05 h86.61
  text "MATH" at 998.03,-1723.27 h86.61
  text "TRIGGR" at 1017.71,-2320.06 h86.61
  text "CONTROL" at 1040.95,-2916.91 h86.61
Mechanical 1:
  the board outline again, w10